# Altium PCB MiniPC.PcbDoc (part 18 of 22) (continued)
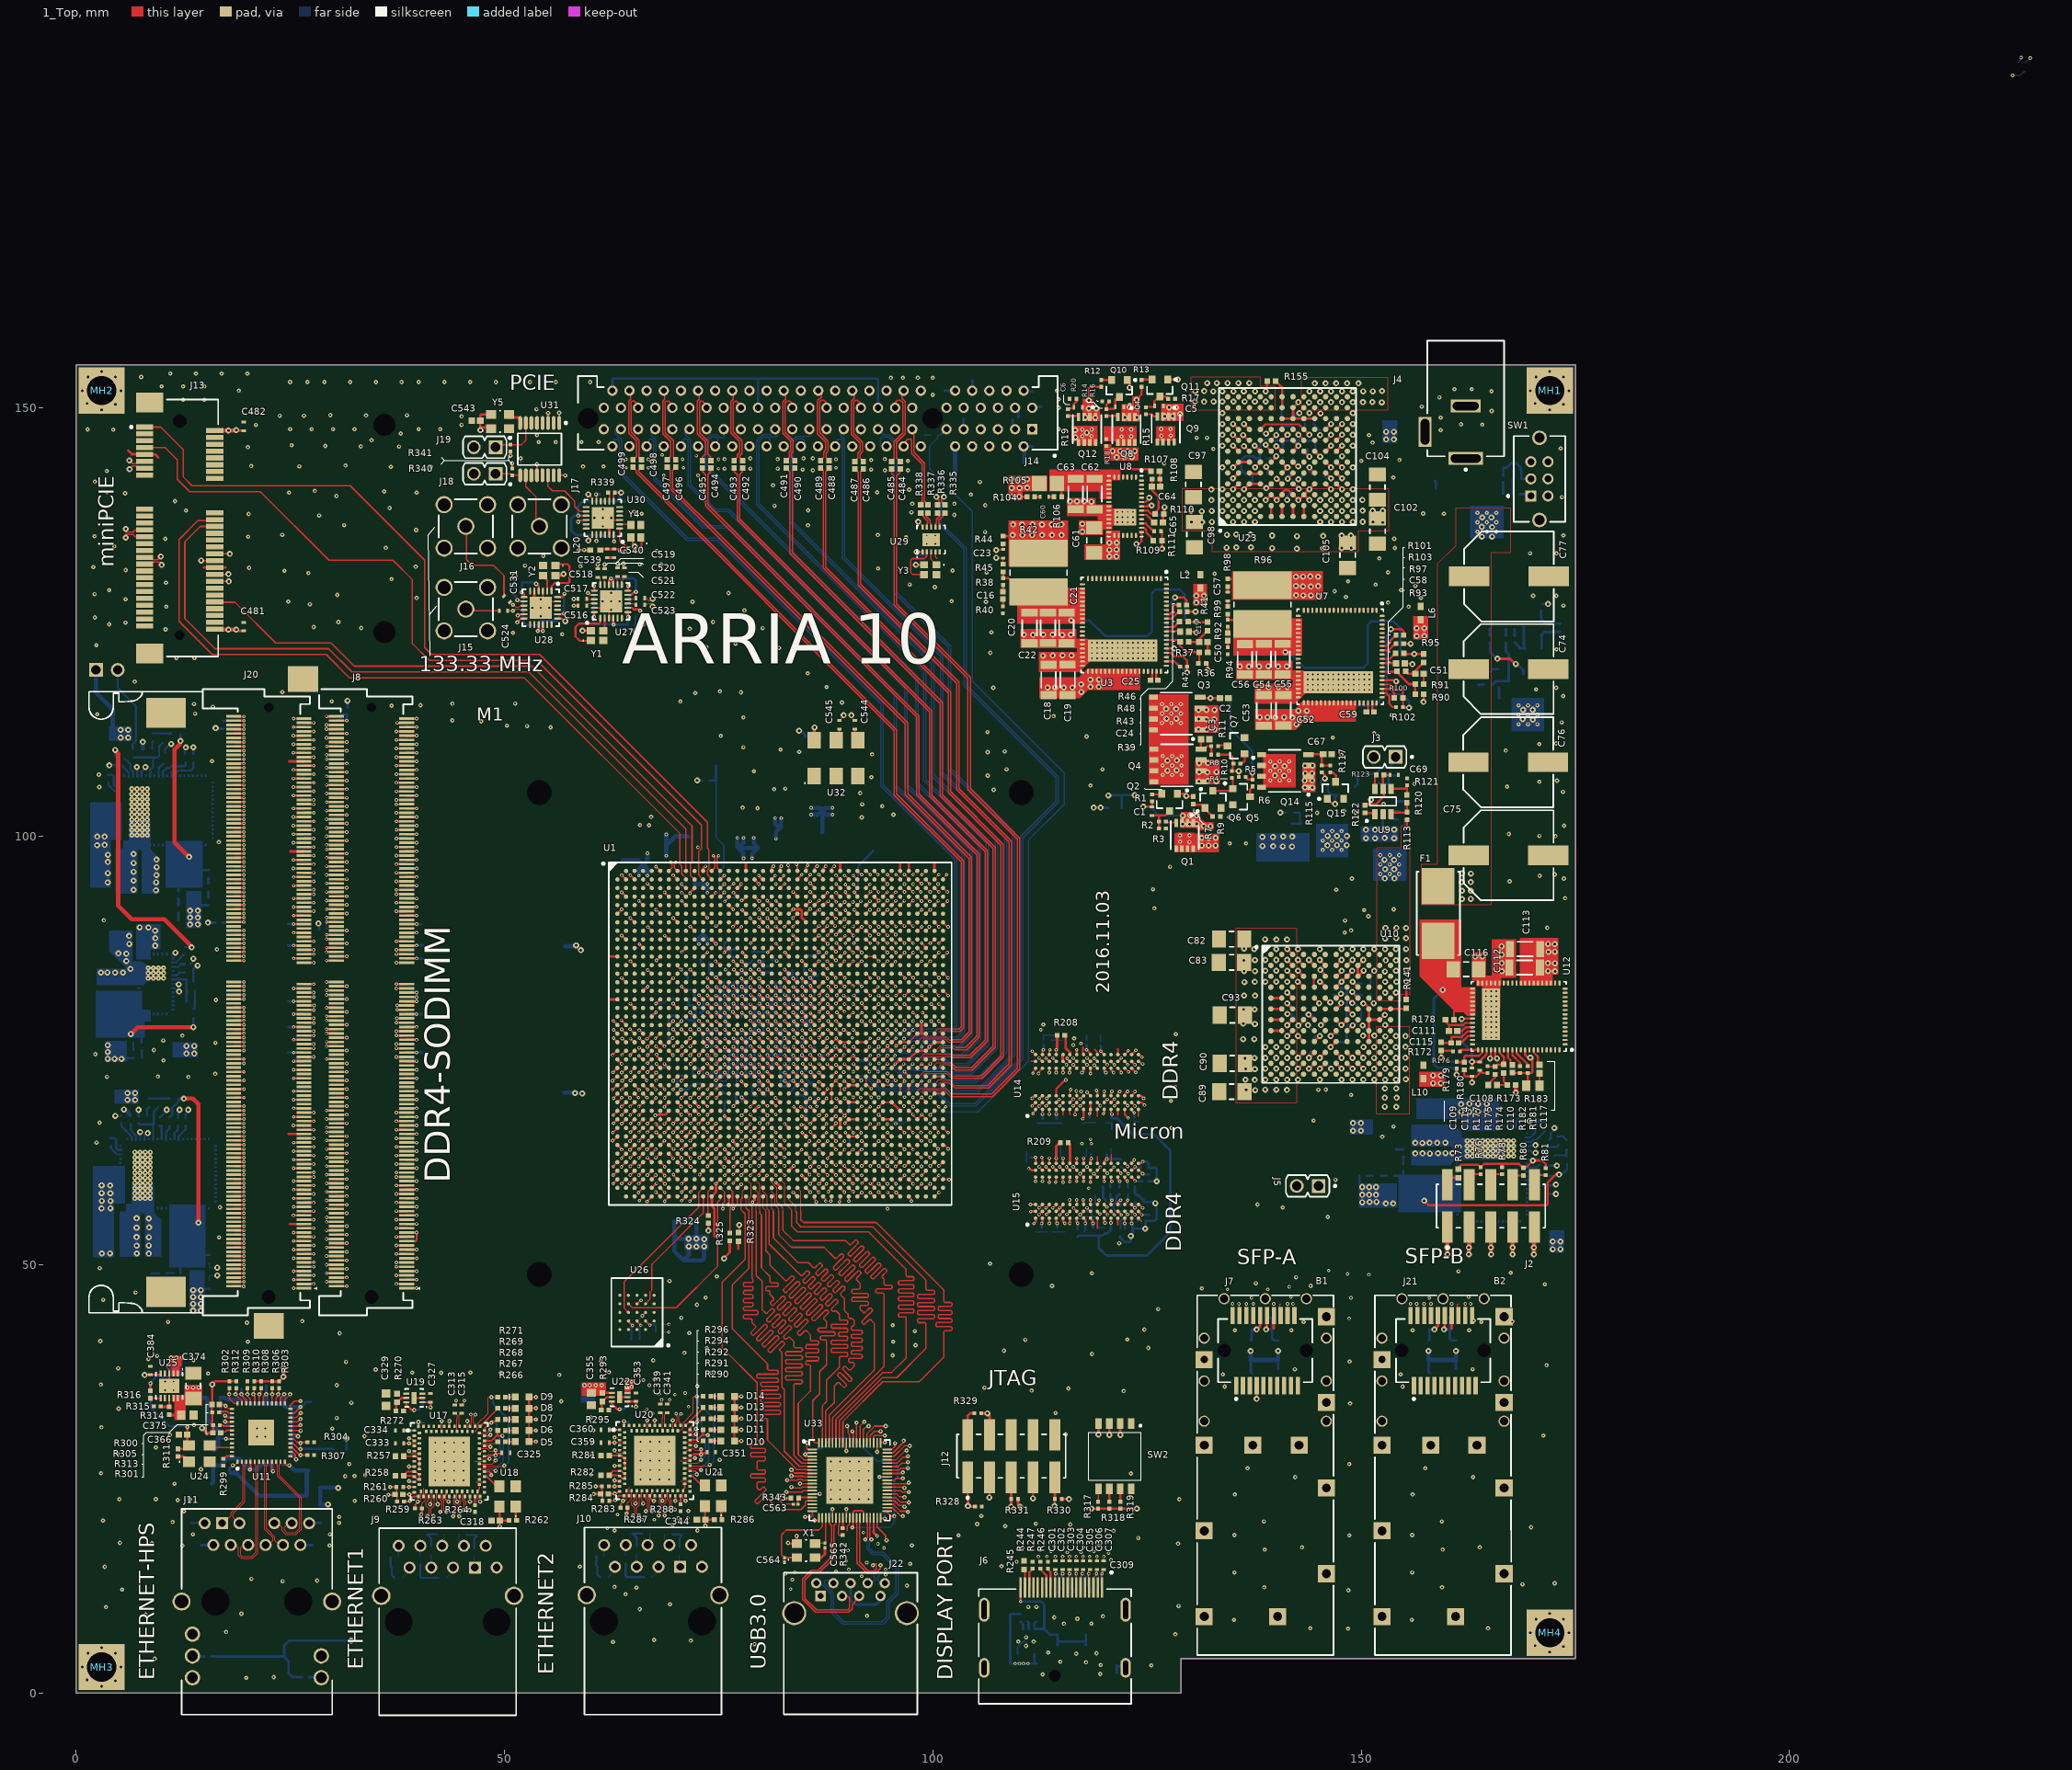
[diagram p0: 1_Top view]
## Nets (pads, with @x,y where several pads share a name; then routed paths per layer and width w, separated by ;. In a path a pad name is that pad's centre, name@x,y a point inside that pad or via, vN(x,y) a via of type N, cw(c..) or ccw(c..) an arc to the next point about the centre after c; other vN are vias at no path point) (continued)
  1_Top w0.25: J20.258@18.4,113.475 v1(19.602,113.475)
  16_Bottom w0.3: R234.2@17.2,113.45 R235.2@18.07,113.45 18.12,113.5 C296.1@18.87,113.5 19.577,113.5 v1(19.602,113.475)
NetC310_1: C310.1 R249.2 R250.2 | length 2.5
  16_Bottom w0.25: R250.2@45.624,18.412 C310.1@46.574,18.412 ; R249.2@46.474,16.862 46.474,18.012 C310.1@46.774,18.312
NetC311_1: C311.1 R251.2 R252.2 | length 2.7
  16_Bottom w0.25: C311.1@40.974,18.512 C311.1@41.064,18.512 R251.2@42.124,18.512 ; C311.1@41.074,18.412 41.474,18.012 R252.2@41.474,17.062
NetC312_1: C312.1 R253.2 R254.2 | length 3.5
  16_Bottom w0.25: C312.1@40.174,13.512 40.274,13.412 R253.2@42.324,13.412 ; C312.1@40.174,13.612 R254.2@40.174,14.962
NetC314_1: C314.1 R255.2 R256.2 | length 2.4
  16_Bottom w0.25: R256.2@36.724,15.812 36.724,14.762 C314.1@36.774,14.712 ; C314.1@36.864,14.612 36.864,13.722 R255.2@37.174,13.412
NetC336_1: C336.1 R273.2 R274.2 | length 2.5
  16_Bottom w0.25: R274.2@69.6,18.5 C336.1@70.55,18.5 ; R273.2@70.45,16.95 70.45,18.1 C336.1@70.75,18.4
NetC337_1: C337.1 R275.2 R276.2 | length 2.7
  16_Bottom w0.25: C337.1@64.95,18.6 C337.1@65.04,18.6 R275.2@66.1,18.6 ; C337.1@65.05,18.5 65.45,18.1 R276.2@65.45,17.15
NetC338_1: C338.1 R277.2 R278.2 | length 3.5
  16_Bottom w0.25: C338.1@64.15,13.6 64.25,13.5 R277.2@66.3,13.5 ; C338.1@64.15,13.7 R278.2@64.15,15.05
NetC340_1: C340.1 R279.2 R280.2 | length 2.4
  16_Bottom w0.25: R280.2@60.7,15.9 60.7,14.85 C340.1@60.75,14.8 ; C340.1@60.84,14.7 60.84,13.81 R279.2@61.15,13.5
NetC362_2: C362.2 J11.2 | length 1.7
  16_Bottom w0.3: C362.2@13.577,19.825 15.097,19.825 J11.2@15.197,19.725
NetC363_2: C363.2 J11.5 | length 1.2
  16_Bottom w0.3: C363.2@14.577,17.225 J11.5@15.797,17.225
NetC364_2: C364.2 J11.8 | length 1.2
  16_Bottom w0.3: J11.8@26.497,17.325 26.597,17.225 C364.2@27.607,17.225
NetC365_2: C365.2 J11.11 | length 1.5
  16_Bottom w0.3: J11.11@27.197,19.925 27.297,19.825 C365.2@28.607,19.825
NetC510_1: C510.1 C511.1 C512.1 C513.1 C514.1 C515.1 L17.1 U27.4 U27.7 U27.11 U27.15 U27.16 U27.20 U27.24 | length 24.1
  1_Top w0.25: v2(59.741,128.391) 59.759,128.391 60,128.15 U27.20@60.5,128.15 ; v2(60.45,125.6) 60.45,126.1 U27.24@60.5,126.15 ; U27.16@62.2,129.35 62.2,129.85 v2@62.45,130.1 ; v2(62.425,130.075) v2@62.45,130.1 ; U27.4@62.7,125.45 62.7,124.75 v2(62.75,124.7) ; U27.15@62.7,129.35 62.7,129.85 v2@62.45,130.1 ; U27.7@64.4,126.15 64.4,125.65 v2(64.45,125.6) ; U27.11@64.4,128.15 64.8,128.15 65.15,128.5 v2(65.35,128.5)
  16_Bottom w0.25: v2@59.75,128.4 59.95,128.2 C513.1@60.45,128.2 ; v2(60.45,125.6) 60.5,125.65 C514.1@60.5,126.15 ; v2@62.35,130.1 62.55,129.9 C512.1@62.55,129.4 ; C515.1@62.7,125.45 62.7,124.75 v2(62.75,124.7) ; v2@62.85,124.7 L17.1@64.4,124.7 ; C511.1@64.3,126.25 64.3,125.75 v2(64.45,125.6) ; C510.1@64.65,128.2 64.95,128.2 v2@65.25,128.5
  16_Bottom w0.3: v2(60.45,125.6) 60.45,124.75 v2@62.7,124.75 ; C513.1@60.45,128.2 60.45,126.2 C514.1@60.5,126.15 ; v2(62.425,130.075) 65.075,130.075 65.1,130.1 65.35,129.85 v2(65.35,128.5) ; C511.1@64.3,126.25 64.3,127.1 64.65,127.45 C510.1@64.65,128.2 ; L17.1@64.4,124.7 64.4,125.55 v2(64.45,125.6)
NetC524_2: C524.2 J15.1 | length 4.6
  1_Top w0.17: J15.1@45,126.8 45.5,126.3 C524.2@49.4,126.3
NetC525_1: C525.1 C526.1 C527.1 C528.1 C529.1 C530.1 L18.1 U28.4 U28.7 U28.11 U28.15 U28.16 U28.20 U28.24 | length 24.3
  1_Top w0.25: v2(51.56,125.752) 51.56,125.69 51.6,125.65 51.85,125.9 U28.11@52.3,125.9 ; v2(52,128.45) 52.1,128.45 52.3,128.25 U28.7@52.3,127.9 ; v2(53.7,129.45) 54,129.15 U28.4@54,128.6 ; v2(53.9,123.95) 54,124.05 U28.15@54,124.7 ; v2@54.5,124.05 U28.16@54.5,124.7 ; U28.20@56.2,125.9 56.95,125.9 v2(56.95,126) ; U28.24@56.2,127.9 56.725,127.9 57,128.175 v2(57,128.3)
  1_Top w0.3: v2@54.5,123.95 v2@54.5,124.05
  16_Bottom w0.25: v2@51.5,125.75 51.6,125.85 C530.1@52.2,125.85 ; C529.1@52.2,127.55 52.2,128.25 v2(52,128.45) 52.05,128.5 L18.1@52.05,129.65 53.5,129.65 v2(53.7,129.45) 54,129.15 C528.1@54,128.75 ; v2@53.8,123.95 54.2,124.35 54.2,124.65 ; v2(53.9,123.95) v2(54.5,123.95) ; C526.1@56.3,125.85 56.8,125.85 v2@56.9,125.95 ; C527.1@56.5,127.85 56.95,127.85
  16_Bottom w0.3: C529.1@52.2,127.55 C530.1@52.2,125.85 52.2,125 52.55,124.65 54.2,124.65 54.2,125.1 56.05,125.1 56.3,125.35 C526.1@56.3,125.85 ; v2(56.95,126) 56.95,127.85 56.95,128.25 v2(57,128.3)
NetC531_2: C531.2 J16.1 | length 11.4
  1_Top w0.17: J16.1@45.5,136.16 45.575,136.085 45.575,132.275 46.25,131.6 48.75,131.6 49.946,130.404 C531.2@49.946,128.029
NetC532_2: C532.2 C533.2 C534.2 C535.2 C536.2 L19.1 R339.1 U30.7 U30.15 U30.24 | length 21.9
  1_Top w0.17: v2(58.6,137.4) U30.15@59.545,137.4 ; U30.24@62.745,135.2 62.745,134.455 v2(62.8,134.4) ; U30.7@62.745,139.1 62.745,139.945 R339.1@62.9,140.1
  1_Top w0.3: R339.1@62.9,140.1 v3(63.625,140.1)
  16_Bottom w0.3: v2@58.6,137.3 58.7,137.4 C535.2@59.6,137.4 ; v2(62.8,134.4) C533.2@62.8,135 ; C536.2@63.6,135 C533.2@62.8,135 ; v3(63.625,140.1) 63.445,139.92 C534.2@63.445,139.075 ; L19.1@64.445,139.075 C534.2@63.445,139.075 ; C533.2@62.8,135 61.6,135 61.45,135.15 58.35,135.15 57.8,135.7 57.8,137.1 58.1,137.4 v2(58.6,137.4) 58.6,138.5 59.175,139.075 C532.2@62.645,139.075 C534.2@63.445,139.075
NetC544_2: C544.2 U32.4 | length 1.4
  1_Top w0.17: C544.2@90.9,112.5 90.9,111.55 U32.4@91.25,111.2
NetC545_2: C545.2 U32.5 | length 1.2
  1_Top w0.17: U32.5@88.61,111.1 U32.5@88.71,111.2 ; U32.5@89.01,111.5 89.1,111.59 C545.2@89.1,112.5
NetC547_2: C547.2 L21.1 U31.12 | length 2.5
  1_Top w0.2: U31.12@53.795,142.126 53.795,143.395 v2(53.8,143.4)
  16_Bottom w0.2: L21.1@53.1,143.4 v2(53.8,143.4) C547.2@54.3,143.4
NetC562_2: C562.2 J22.4 J22.7 | length 6.4
  16_Bottom w0.3: J22.7@90.4,12.795 90.4,11.045 90.4,10.8 90.9,10.3 93.4,10.3 93.9,10.8 J22.4@93.9,11.295
NetC563_2: C563.2 R343.2 U33.15 | length 2.4
  1_Top w0.2: C563.2@84.26,22.125 R343.2@84.26,22.885 ; R343.2@84.3,22.725 84.375,22.8 U33.15@85.925,22.8
NetC564_2: C564.2 U33.21 X1.1 | length 10.5
  1_Top w0.17: X1.1@84.15,15.775 82.69,15.775 C564.2@82.675,15.76 82.335,16.1 82.335,18.435 82.9,19 86.7,19 87.1,19.4 U33.21@87.1,20.425
NetC565_2: C565.2 U33.22 X1.3 | length 4.2
  1_Top w0.17: X1.3@86.6,17.44 86.62,17.46 C565.2@87.4,17.46 87.5,17.56 U33.22@87.5,20.425
  1_Top w0.3: X1.3@86.25,17.425 86.25,17.44 X1.3@86.6,17.44
NetC569_1: C569.1 U33.2 U33.3 U33.30 U33.33 U33.39 U33.48 | length 35.4
  1_Top w0.17: U33.39@94.675,21.2 94.675,21.05 95.1,20.625 v2(95.5,20.625) ; U33.48@94.675,24.8 95.525,24.8 95.75,25.025 v2(96.5,25.025)
  1_Top w0.2: v2(85.1,27.825) 85.1,27.625 85.075,27.6 U33.3@85.925,27.6 ; v2@85.225,28 U33.2@85.925,28 ; v2(90.6,19.3) 90.675,19.3 90.7,19.325 U33.30@90.7,20.425 90.7,21.125 90.825,21.25 91.645,21.25 91.775,21.25 91.9,21.125 U33.33@91.9,20.425
  16_Bottom w0.2: v2(85.1,27.825) 85.1,28.325 85.2,28.425 86.9,28.425 88.2,29.725 90.8,29.725 93.5,27.025 95.3,27.025 95.9,26.425 95.9,25.025 ; v2@85.2,27.825 C569.1@85.94,27.825 ; v2(90.6,19.3) 94.975,19.3 95.5,19.825 v2(95.5,20.625) 95.5,24.825 95.7,25.025 95.9,25.025 ; v2(96.5,25.025) 95.9,25.025
NetD5_1: D5.1 R266.1 | length 1
  1_Top w0.2: R266.1@50.124,29.312 D5.1@51.074,29.312
NetD6_1: D6.1 R267.1 | length 1.3
  1_Top w0.2: R267.1@50.124,30.612 D6.1@51.274,30.612 D6.1@51.374,30.612
NetD7_1: D7.1 R268.1 | length 1
  1_Top w0.2: R268.1@50.124,31.912 D7.1@51.074,31.912
NetD8_1: D8.1 R269.1 | length 1
  1_Top w0.2: R269.1@50.124,33.212 50.974,33.212 D8.1@51.074,33.112
NetD9_1: D9.1 R271.1 | length 1.3
  1_Top w0.2: R271.1@50.124,34.512 D9.1@51.374,34.512
NetD10_1: D10.1 R290.1 | length 1
  1_Top w0.2: R290.1@74.1,29.4 D10.1@75.05,29.4
NetD11_1: D11.1 R291.1 | length 1.3
  1_Top w0.2: R291.1@74.1,30.7 D11.1@75.25,30.7 D11.1@75.35,30.7
NetD12_1: D12.1 R292.1 | length 1
  1_Top w0.2: R292.1@74.1,32 D12.1@75.05,32
NetD13_1: D13.1 R294.1 | length 1
  1_Top w0.2: R294.1@74.1,33.3 74.95,33.3 D13.1@75.05,33.2
NetD14_1: D14.1 R296.1 | length 1.3
  1_Top w0.2: R296.1@74.1,34.6 D14.1@75.35,34.6
NetJ1_2: J1.2 R32.1 | length 10.2
  16_Bottom w0.25: J1.2@4.87,119.4 4.87,117.33 7,115.2 7,111.089 6.6,110.689 R32.1@6.6,110.2
NetJ2_2: J2.2 R73.1 | length 2
  1_Top w0.25: J2.2@160.235,59.13 160.235,59.93 160.435,60.13 R73.1@161.335,60.13
NetJ2_4: J2.4 R76.1 | length 2.4
  1_Top w0.25: J2.4@162.595,59.305 162.595,60.165 162.96,60.53 R76.1@163.935,60.53
NetJ2_6: J2.6 R78.1 | length 2.3
  1_Top w0.25: J2.6@165.135,59.33 165.135,60.13 165.535,60.53 R78.1@166.435,60.53
NetJ2_8: J2.8 R80.1 | length 2.3
  1_Top w0.25: J2.8@167.235,59.23 167.235,59.43 168.185,60.38 R80.1@168.935,60.38
NetJ2_10: J2.10 R81.1 | length 2.1
  1_Top w0.25: J2.10@170.335,59.33 170.435,59.33 170.71,59.605 170.71,60.43 R81.1@171.535,60.43
NetJ3_1: J3.1 R118.2 R127.2 | length 4.6
  16_Bottom w0.25: R127.2@150.545,107.25 151.645,107.25 152.395,108 R118.2@153.245,108 154.145,108.9 J3.1@154.145,109.25
NetJ6_13: J6.13 R246.2 | length 2.2
  1_Top w0.25: R246.2@113.45,14.4 113.45,14.35 113.75,14.05 J6.13@113.75,12.29
NetJ6_14: J6.14 R247.2 | length 2.4
  1_Top w0.25: R247.2@112.55,14.4 113.25,13.7 J6.14@113.25,12.29
NetJ6_18: J6.18 R244.2 | length 2.3
  1_Top w0.25: J6.18@111.25,12.29 111.25,14 R244.2@111.65,14.4
NetJ6_19: J6.19 R245.2 | length 2.1
  1_Top w0.25: J6.19@110.75,12.29 R245.2@110.75,14.4
NetJ11_13: J11.13 R304.1 U11.17 | length 34.7
  1_Top w0.2: U11.17@25.012,29.625 25.424,29.625 25.8,29.25 26.1,29.25 v2(26.2,29.15) 26.3,29.25 R304.1@27,29.25
  7_int6_(sign) w0.15: v2(26.2,29.15) 30.95,29.15 33.2,26.9 33.2,9.9 28.63,5.33 J11.13@28.63,4.3
NetJ11_14: J11.14 R297.2 | length 1.1
  16_Bottom w0.3: R297.2@27.187,1.825 J11.14@28.297,1.825
NetJ11_16: J11.16 R298.2 | length 1.3
  16_Bottom w0.3: J11.16@13.697,4.225 R298.2@14.987,4.225
NetJ11_17: J11.17 R307.1 U11.15 | length 45.1
  1_Top w0.2: U11.15@25.012,28.625 25.24,28.625 26.1,27.765 v2@26.1,27.75 ; v2(26.2,27.75) R307.1@27,27.75
  7_int6_(sign) w0.15: J11.17@13.593,1.76 16.76,1.76 21.7,6.7 21.7,12.6 23.8,14.7 28.6,14.7 32,18.1 32,25.6 29.85,27.75 v2(26.2,27.75)
NetJ12_2: J12.2 R329.1 | length 3.2
  1_Top w0.3: J12.2@104.08,30.1 104.08,32.305 104.06,32.325 104.36,32.625 R329.1@104.86,32.625
NetJ14_B17: J14.B17 J14.B31 J14.B48 | length 39.1
  16_Bottom w0.3: J14.B48@62.6,152 62.6,153.3 62.7,153.4 79.6,153.4 ; J14.B31@79.6,150 79.6,153.4 ; J14.B17@93.6,150 93.6,153.3 93.5,153.4 79.6,153.4
NetJ17_1: J17.1 U31.10 | length 6.6
  1_Top w0.17: U31.10@52.495,142.126 52.495,140.805 53.7,139.6 J17.1@53.7,136
NetJ18_1: J18.1 R340.2 U31.9 | length 3
  1_Top w0.17: J18.1@48.97,142.3 50.7,142.3 R340.2@50.9,142.1 50.926,142.126 U31.9@51.845,142.126
NetJ19_1: J19.1 R341.2 U31.7 | length 5.9
  1_Top w0.17: J19.1@48.97,145.4 49.27,145.7 R341.2@50.7,145.7 52,145.7 52.495,146.195 U31.7@52.495,148.226
NetQ1_4: Q1.4 R2.2 | length 1.1
  1_Top w0.25: R2.2@127.31,101.6 128.345,101.6 Q1.4@128.41,101.535
NetQ2_2: Q2.2 R1.1 | length 1.2
  1_Top w0.25: R1.1@125.59,104.87 126.645,104.87 Q2.2@126.715,104.94
NetQ5_1: Q5.1 Q6.3 R4.1 | length 3.7
  1_Top w0.25: Q6.3@132.7,105.3 134.81,105.3 Q5.1@135.11,105.6 ; Q5.1@135.01,105.55 R4.1@135.01,106.7
NetQ5_3: Q5.3 R6.1 | length 1.4
  1_Top w0.25: Q5.3@137.01,104.6 137.01,105.4 R6.1@137.41,105.8
NetQ6_1: Q6.1 R7.1 R9.2 | length 2.7
  1_Top w0.25: R7.1@130.5,103.65 131.46,103.65 Q6.1@131.71,103.4
  1_Top w0.3: Q6.1@131.75,103.3 131.75,103.22 R9.2@132.66,102.31
NetQ7_1: Q7.1 R10.1 | length 1.4
  1_Top w0.25: R10.1@136.01,108.4 136.4,108.79 Q7.1@136.4,109.6
NetQ7_3: Q7.3 R11.1 | length 0.9
  1_Top w0.25: R11.1@133.51,110.6 134.35,110.6 Q7.3@134.4,110.55
NetQ8_4: Q8.4 R14.2 | length 1.3
  1_Top w0.25: R14.2@120.27,149.05 Q8.4@121.57,149.05
NetQ9_4: Q9.4 R15.2 | length 1.3
  1_Top w0.25: R15.2@124.97,149.25 125.55,149.25 125.815,148.985 Q9.4@126.2,148.985
NetQ10_2: Q10.2 R12.1 | length 1.2
  1_Top w0.25: R12.1@119.67,153.25 Q10.2@120.855,153.25
NetQ11_2: Q11.2 R13.1 | length 1.2
  1_Top w0.25: R13.1@124.37,153.35 124.42,153.3 Q11.2@125.585,153.3
NetQ12_4: Q12.4 R19.2 | length 1.3
  1_Top w0.25: R19.2@115.77,148.95 115.87,149.05 116.895,149.05 Q12.4@117.01,148.935
NetQ13_4: Q13.4 R114.2 | length 1.9
  16_Bottom w0.25: R114.2@155.05,101.94 155.095,101.895 155.095,100.1 Q13.4@155.145,100.05
NetQ15_1: Q15.1 Q19.3 R124.2 | length 4.2
  1_Top w0.25: Q15.1@146.045,104.35 146.545,103.85 v3@146.745,103.85
  16_Bottom w0.25: R124.2@146.045,106.05 146.13,105.965 146.13,105.22 146.55,104.8 Q19.3@147.195,104.8 ; v3(146.945,103.75) 146.945,104.55 Q19.3@147.195,104.8 ; Q19.3@147.245,104.8 Q19.3@147.195,104.8
NetQ15_3: Q15.3 R117.1 | length 1.6
  1_Top w0.25: R117.1@146.395,107.45 146.69,107.45 147.045,107.095 Q15.3@147.045,106.25
NetQ16_3: Q16.3 R116.1 | length 2
  16_Bottom w0.3: Q16.3@154.145,104.05 154.93,104.05 155.18,103.8 R116.1@155.18,102.91
NetQ19_1: Q19.1 R127.1 | length 1.5
  16_Bottom w0.25: Q19.1@149.245,105.75 149.595,106.1 R127.1@149.595,107.15
NetQ20_4: Q20.4 R130.2 | length 1.3
  16_Bottom w0.3: Q20.4@166.57,140 166.57,141.27 R130.2@166.6,141.3
NetQ21_4: Q21.4 R136.2 | length 1.2
  16_Bottom w0.3: Q21.4@166.1,116.07 R136.2@166.1,117.3
NetQ22_1: Q22.1 R134.1 R138.2 | length 6.4
  1_Top w0.3: v3(165.9,120.7) 167.35,120.7 168.05,120 v3(168.05,120.1)
  16_Bottom w0.3: R134.1@165,122.6 165.05,122.55 Q22.1@165.05,121.5 165.85,120.7 v3(165.9,120.7) ; v3(168.05,120.1) 168.175,120.1 168.925,119.35 R138.2@168.925,118.95
NetQ22_3: Q22.3 R135.1 | length 1
  16_Bottom w0.3: R135.1@165.1,119.2 165.4,119.5 Q22.3@166,119.5
NetQ23_1: Q23.1 Q24.3 R133.1 | length 4.1
  16_Bottom w0.3: R133.1@167.9,122.6 168.6,121.9 Q23.1@169.15,121.9 169,122.05 Q24.3@169,124.4
NetQ23_3: Q23.3 R138.1 | length 1.3
  16_Bottom w0.3: R138.1@169.725,118.95 169.725,119.525 Q23.3@170.1,119.9 Q23.3@170.331,119.9
NetR21_2: R21.2 R22.2 R24.2 R32.2 U2.55 | length 7.1
  16_Bottom w0.25: R32.2@6.7,109.16 6.74,109.2 R21.2@7.8,109.2 R22.2@8.9,109.2 9.54,109.2 9.7,109.36 9.7,110.46 R24.2@10.1,110.86 ; U2.55@8.65,106.91 8.65,107.71 9,108.06 R22.2@9,109.16
NetR29_1: R29.1 U2.58 | length 2.5
  16_Bottom w0.25: U2.58@10.15,106.91 10.15,107.51 10.6,107.96 10.9,107.96 R29.1@11.6,108.66
NetR31_1: R31.1 U2.51 | length 2.5
  16_Bottom w0.25: R31.1@5.7,109.06 6.375,108.385 6.375,107.785 6.65,107.51 U2.51@6.65,106.91
NetR33_2: R33.2 U2.61 | length 3.4
  16_Bottom w0.25: U2.61@11.65,106.91 11.65,107.41 11.9,107.66 13.4,107.66 13.7,107.96 R33.2@13.7,108.56
NetR34_1: R34.1 U2.50 | length 1.5
  16_Bottom w0.25: R34.1@5.5,108.16 5.5,108.06 6.025,107.535 6.15,107.41 U2.50@6.15,106.91
NetR35_1: R35.1 U2.60 | length 2.9
  16_Bottom w0.25: U2.60@11.15,106.91 11.15,107.51 11.8,108.16 12.7,108.16 12.8,108.26 R35.1@12.8,108.56
NetR36_1: R36.1 R37.2 R39.2 U3.63 | length 5.9
  1_Top w0.25: R36.1@131.09,120.27 R37.2@131.09,121.47
  1_Top w0.254: U3.63@127.265,122.895 128.565,122.895 R39.2@128.865,122.595 ; R39.2@128.865,122.67 R39.2@128.865,122.595 ; R37.2@131.065,121.495 129.565,121.495 128.865,122.195 R39.2@128.865,122.595
NetR43_1: R43.1 U3.66 | length 1.8
  1_Top w0.25: U3.66@127.24,124.41 128.145,124.41 R43.1@128.795,125.06
NetR46_2: R46.2 U3.69 | length 2.1
  1_Top w0.254: U3.69@127.265,125.895 127.665,125.895 128.065,126.295 128.065,126.795 128.265,126.995 R46.2@128.665,126.995
NetR47_1: R47.1 U3.58 | length 1.7
  1_Top w0.254: U3.58@127.265,120.395 128.165,120.395 R47.1@128.765,119.795
NetR48_1: R48.1 U3.68 | length 1.7
  1_Top w0.254: U3.68@127.265,125.395 127.865,125.395 R48.1@128.665,126.195
NetR49_2: R49.2 R50.2 R52.2 U4.55 | length 6.1
  16_Bottom w0.25: R49.2@7.295,66.45 7.395,66.35 R50.2@8.295,66.35 8.695,66.35 ; U4.55@8.995,64.55 8.995,66.35 ; R52.2@9.595,68.35 9.095,67.85 9.095,66.35 8.995,66.35 ; 8.695,66.35 8.995,66.35 ; 8.695,66.35 8.995,66.35
NetR57_1: R57.1 U4.58 | length 2.1
  16_Bottom w0.25: U4.58@10.495,64.65 10.495,64.914 ; U4.58@10.5,64.5 10.5,65.455 10.895,65.85 R57.1@10.895,66.15
NetR60_2: R60.2 U4.61 | length 2
  16_Bottom w0.25: U4.61@11.995,64.55 11.995,64.97 12.795,65.77 R60.2@12.795,66.2
NetR61_1: R61.1 U4.50 | length 2.5
  16_Bottom w0.25: R61.1@5.295,66.55 5.295,66.15 6.5,64.945 U4.50@6.5,64.5
NetR62_1: R62.1 U4.60 | length 1.6
  16_Bottom w0.25: U4.60@11.495,64.75 11.495,65.35 11.895,65.75 R62.1@11.895,66.2
NetR63_2: R63.2 R64.2 R66.2 R73.2 R76.2 R78.2 R80.2 R81.2 U5.55 | length 17.8
  1_Top w0.25: R73.2@161.335,61.13 161.335,61.33 161.635,61.63 163.635,61.63 R76.2@163.835,61.43 ; R76.2@163.935,61.33 163.935,61.42 164.025,61.42 164.335,61.73 166.435,61.73 ; R78.2@166.435,61.23 166.435,61.63 ; R78.2@166.435,61.33 166.435,61.63 ; R81.2@171.535,61.23 171.535,61.723 171.128,62.13 v3(170.035,62.13) 169.185,61.28 R80.2@168.935,61.28 168.935,61.33 168.835,61.33 168.435,61.73 166.435,61.73 ; 166.435,61.63 166.435,61.73
  16_Bottom w0.25: U5.55@169.185,62.306 v3@169.935,62.306 ; v3@170.033,62.13 v3@170.035,62.132 ; v3(170.035,62.13) v3@170.035,62.132 ; R66.2@171.435,62.73 171.011,62.306 v3@169.935,62.306 ; R66.2@171.535,62.73 171.535,63.53 R63.2@171.835,63.83 ; R63.2@171.935,63.73 172.835,63.73 R64.2@173.035,63.93 ; v3@169.935,62.306 169.934,62.305 170.035,62.204 v3@170.035,62.132
NetR71_1: R71.1 U5.58 | length 1.9
  16_Bottom w0.25: U5.58@169.185,60.806 170.559,60.806 R71.1@170.935,60.43
NetR75_2: R75.2 U5.61 | length 2.1
  16_Bottom w0.25: U5.61@169.185,59.306 170.059,59.306 170.235,59.13 170.235,58.83 R75.2@170.735,58.33
NetR77_1: R77.1 U5.50 | length 1.9
  16_Bottom w0.25: U5.50@169.185,64.806 169.711,64.806 170.335,65.43 R77.1@170.335,65.83 R77.1@170.335,65.93
NetR79_1: R79.1 U5.60 | length 1.9
  16_Bottom w0.25: U5.60@169.185,59.806 170.259,59.806 R79.1@170.835,59.23
NetR82_2: R82.2 R83.1 | length 3
  16_Bottom w0.25: v3(4.5,74) 4.5,74.775 R83.1@5,75.275 ; v3(5.3,74) 5.4,74.1 R82.2@6.75,74.1
  other v3: 3.7,74 3.7,74.8 3.7,75.6
NetR89_2: R89.2 U6.28 | length 1.9
  16_Bottom w0.25: U6.28@11.225,84.75 11.916,84.75 12.266,85.1 R89.2@12.6,85.1 12.7,85.1 12.7,85 R89.2@12.5,85
NetR90_1: R90.1 R91.2 R93.2 U7.63 | length 5.8
  1_Top w0.25: U7.63@152.445,119.2 153.57,119.2 ; R90.1@156.295,116.56 R91.2@156.295,117.76
  1_Top w0.3: 153.57,119.2 154.11,119.2 R93.2@154.17,119.26 154.17,119.16 155.57,117.76 R91.2@156.295,117.76
NetR97_1: R97.1 U7.66 | length 1.8
  1_Top w0.25: U7.66@152.445,120.7 153.35,120.7 R97.1@154,121.35
NetR100_2: R100.2 U7.59 | length 2.1
  1_Top w0.25: U7.59@152.445,117.2 153.33,117.2 153.87,116.66 R100.2@153.87,116.16
NetR101_2: R101.2 U7.69 | length 2.3
  1_Top w0.25: U7.69@152.445,122.2 153.01,122.2 153.37,122.56 153.37,122.785 R101.2@154.045,123.46
NetR102_1: R102.1 U7.58 | length 2.8
  1_Top w0.25: U7.58@152.445,116.7 152.93,116.7 153.27,116.36 153.27,115.46 153.67,115.06 R102.1@154.07,115.06
NetR103_1: R103.1 U7.68 | length 1.9
  1_Top w0.25: U7.68@152.445,121.7 153.21,121.7 153.97,122.46 R103.1@154.045,122.46
NetR111_2: R111.2 U8.28 | length 1.9
  1_Top w0.25: U8.28@124.35,136.5 124.831,136.5 125.831,135.5 R111.2@125.85,135.5
NetR113_1: R113.1 R120.2 U9.3 | length 3.1
  1_Top w0.25: U9.3@153.495,102.575 153.65,102.73 155.225,102.73 R113.1@155.345,102.85 ; R113.1@155.345,102.75 R113.1@155.345,102.8 R113.1@155.345,102.85 ; R120.2@155.345,103.9 R113.1@155.345,102.85
NetR120_1: R120.1 R121.2 U9.4 | length 3.4
  1_Top w0.25: U9.4@153.495,105.525 155.245,105.525 R121.2@155.245,106.05 ; R120.1@155.345,104.8 R121.2@155.345,105.95
NetR122_2: R122.2 U9.1 | length 1.2
  1_Top w0.25: R122.2@150.445,102.7 151.595,102.7 U9.1@151.645,102.75
NetR123_2: R123.2 U9.6 | length 1.8
  1_Top w0.25: U9.6@151.595,105.525 151.595,107 R123.2@151.845,107.25
NetR128_1: R128.1 SW1.1 | length 1.4
  16_Bottom w0.3: R128.1@168.5,139.9 169.6,139.9 SW1.1@169.8,139.7
NetR141_1: R141.1 U10.F11 U10.F12 | length 2.8
  1_Top w0.25: U10.F11@152.155,79.83 U10.F12@153.425,79.83 154.925,79.83
NetR149_1: R149.1 U10.J5 | length 2.2
  1_Top w0.3: U10.J5@144.535,76.02 v3(145.17,76.655)
  16_Bottom w0.25: 144.77,76.695 145.13,76.695 v3(145.17,76.655)
  16_Bottom w0.254: R149.1@144.36,75.985 144.36,76.285 144.77,76.695
NetR149_2: R149.2 U10.K5 | length 1.8
  1_Top w0.3: v3(143.9,74.115) U10.K5@144.535,74.75
  16_Bottom w0.254: v3(143.9,74.115) 143.9,74.6 R149.2@144.185,74.885
NetR150_2: R150.2 U10.G4 | length 2.2
  1_Top w0.25: v3(142.66,77.875) 143.265,78.481 U10.G4@143.265,78.56
  16_Bottom w0.25: v3@142.56,77.776 v3(142.66,77.875) v3@142.845,77.875 ; v3@142.845,77.875 v3@142.965,77.995
  16_Bottom w0.254: v3@142.965,77.995 143.165,78.195 R150.2@143.165,78.695
NetR151_1: R151.1 U10.K6 | length 2
  1_Top w0.3: v3(145.17,74.115) U10.K6@145.805,74.75
  16_Bottom w0.25: v3(145.17,74.115) 145.59,74.535 R151.1@146.06,74.535
NetR153_1: R153.1 U10.G5 | length 2.3
  1_Top w0.25: v3(143.86,79.175) 144.475,78.56 U10.G5@144.535,78.56
  16_Bottom w0.254: v3(143.86,79.175) 144.185,79.175 144.565,78.795 R153.1@144.565,78.295
NetR154_1: R154.1 U10.G6 | length 2.1
  1_Top w0.25: v3(145.299,77.936) 145.805,78.443 U10.G6@145.805,78.56
  16_Bottom w0.25: v3@145.299,77.954 v3(145.299,77.936) 145.499,77.936 145.54,77.895 R154.1@146.24,78.595
NetR155_1: R155.1 U23.F11 U23.F12 | length 3.4
  1_Top w0.25: R155.1@140.02,153.12 140.765,152.375 U23.F12@140.765,151.285 U23.F11@140.765,150.015
NetR158_1: R158.1 R163.2 U23.E4 | length 2.7
  1_Top w0.25: v3(138.92,140.62) 138.99,140.62 U23.E4@139.495,141.125
  16_Bottom w0.25: R158.1@138.1,141.175 138.364,141.175 v3(138.92,140.62) 139.02,140.72 R163.2@139.72,140.72
NetR162_1: R162.1 U23.F5 U23.F6 | length 3.2
  1_Top w0.25: U23.F5@140.765,142.395 v3(141.4,143.03)
  1_Top w0.3: U23.F6@140.765,143.665 v3(141.4,143.03)
  16_Bottom w0.25: R162.1@140.85,144.125 140.85,143.58 141.371,143.059 v3@141.268,142.957
NetR163_1: R163.1 U23.F4 | length 2.2
  1_Top w0.25: v3(140.12,141.72) 140.12,141.77 U23.F4@140.765,141.125
  16_Bottom w0.25: v3(140.12,141.72) 140.6,141.239 140.6,140.84 R163.1@140.72,140.72
NetR166_1: R166.1 U23.J5 | length 2.2
  1_Top w0.3: v3(143.94,143.03) U23.J5@144.575,142.395
  16_Bottom w0.25: 143.9,142.63 143.9,142.99 v3(143.94,143.03)
  16_Bottom w0.254: 143.9,142.63 144.31,142.22 R166.1@144.61,142.22
NetR166_2: R166.2 U23.K5 | length 1.8
  1_Top w0.3: U23.K5@145.845,142.395 v3(146.48,141.76)
  16_Bottom w0.254: R166.2@145.71,142.045 145.995,141.76 v3(146.48,141.76)
NetR167_2: R167.2 U23.G4 | length 2.2
  1_Top w0.25: U23.G4@142.035,141.125 142.114,141.125 v3(142.72,140.52)
  16_Bottom w0.25: v3@142.6,140.825 v3@142.72,140.705 ; v3@142.72,140.705 v3(142.72,140.52) v3@142.819,140.42
  16_Bottom w0.254: R167.2@141.9,141.025 142.4,141.025 v3@142.6,140.825
NetR168_1: R168.1 U23.K6 | length 2
  1_Top w0.3: U23.K6@145.845,143.665 v3(146.48,143.03)
  16_Bottom w0.25: R168.1@146.06,143.92 146.06,143.45 v3(146.48,143.03)
NetR170_1: R170.1 U23.G5 | length 2.3
  1_Top w0.25: v3(141.42,141.72) 142.035,142.335 U23.G5@142.035,142.395
  16_Bottom w0.254: v3(141.42,141.72) 141.42,142.045 141.8,142.425 R170.1@142.3,142.425
NetR171_1: R171.1 U23.G6 | length 2.1
  1_Top w0.25: U23.G6@142.035,143.665 142.541,143.159 v3(142.641,143.159)
  16_Bottom w0.25: R171.1@142,144.1 142.7,143.4 142.659,143.359 142.659,143.159 v3(142.641,143.159)
NetR174_1: R174.1 R175.1 R177.2 U12.54 | length 4.1
  1_Top w0.25: R177.2@164.634,73.15 164.684,73.1 164.734,73.1 R175.1@165.634,73.1 ; R175.1@165.634,73.05 165.934,73.35 R174.1@166.534,73.35 ; U12.54@166.134,75.05 166.134,74.734 166.634,74.234 166.634,73.45 R174.1@166.534,73.35 ; R174.1@166.634,73.35 R174.1@166.534,73.35
NetR176_1: R176.1 U12.49 | length 2.1
  1_Top w0.25: R176.1@161.534,74.95 161.634,75.05 U12.49@163.634,75.05
NetR179_2: R179.2 R180.2 U12.50 | length 4.2
  1_Top w0.25: R179.2@161.134,73.65 161.184,73.6 R180.2@162.034,73.6 162.034,74.25 162.134,74.35 163.748,74.35 164.134,74.736 U12.50@164.134,75.05
NetR181_2: R181.2 U12.58 | length 2.2
  1_Top w0.25: U12.58@168.134,75.05 168.134,74.65 R181.2@169.434,73.35
NetR182_2: R182.2 U12.57 | length 2.4
  1_Top w0.25: U12.57@167.634,75.05 167.634,74.45 168.534,73.55 R182.2@168.534,73.15 R182.2@168.534,73.05
NetR208_1: R208.1 U14.F9 | length 2.6
  1_Top w0.3: R208.1@115.403,76.759 115.5,76.759 115.5,75.254 116,74.754 U14.F9@116,74.5
NetR209_1: R209.1 U15.F9 | length 2.5
  1_Top w0.3: R209.1@115.791,64.211 116,64.003 U15.F9@116,61.8
NetR237_2: R237.2 U1.AH7 | length 1.6
  1_Top w0.25: v1(68.675,68.4) 68.675,68.42 U1.AH7@69.194,68.939
  16_Bottom w0.3: v1(68.675,68.4) 69.05,68.025 R237.2@69.05,67.675
NetR242_1: R242.1 U16.2 | length 1
  16_Bottom w0.3: R242.1@110.25,8.3 110.55,8 U16.2@110.55,7.45
NetR243_1: R243.1 U16.3 | length 0.9
  16_Bottom w0.3: R243.1@111.05,8.3 111.2,8.15 U16.3@111.2,7.45
NetR257_2: R257.2 U17.A6 U17.B6 U17.B7 U17.B8 | length 3.3
  1_Top w0.2: R257.2@38.174,27.512 R257.2@38.274,27.612 U17.A6@39.474,27.612 39.674,27.612 39.924,27.362 40.074,27.362 U17.B6@40.074,27.312 U17.B7@40.074,26.712 U17.B8@40.074,26.112
NetR258_2: R258.2 U17.A9 U17.A10 U17.B9 U17.B10 | length 4.5
  1_Top w0.2: R258.2@38.274,25.312 39.374,25.312 U17.A10@39.474,25.212 39.724,24.962 39.757,24.962 39.807,24.912 U17.B10@40.074,24.912 ; R258.2@38.374,25.512 38.674,25.812 U17.A9@39.474,25.812 39.674,25.812 39.974,25.512 U17.B9@40.074,25.512 U17.B10@40.074,24.962
NetR262_2: R262.2 U18.1 | length 1.7
  1_Top w0.25: R262.2@51.274,20.012 51.324,20.062 U18.1@51.324,21.712
NetR264_1: R264.1 U17.A25 | length 1
  1_Top w0.2: R264.1@46.574,21.912 U17.A25@46.574,22.912
NetR265_1: R265.1 U17.B14 | length 2.4
  1_Top w0.1: v2@41.324,22.162 v2(41.324,22.012) 41.474,22.162 U17.B14@41.474,23.512
  16_Bottom w0.15: v2(41.324,22.012) 41.424,22.112 R265.1@41.424,22.562 ; v2@41.424,21.862 v2@41.474,21.912
NetR270_1: R270.1 R272.2 U19.5 | length 2.3
  1_Top w0.25: R272.2@37.374,32.812 37.374,33.812 R270.1@37.474,33.912 ; R270.1@37.574,34.012 37.974,34.412 U19.5@38.549,34.412
NetR281_2: R281.2 U20.A6 U20.B6 U20.B7 U20.B8 | length 3.3
  1_Top w0.2: R281.2@62.15,27.6 R281.2@62.25,27.7 U20.A6@63.45,27.7 63.65,27.7 63.9,27.45 64.05,27.45 U20.B6@64.05,27.4 U20.B7@64.05,26.8 U20.B8@64.05,26.2
NetR282_2: R282.2 U20.A9 U20.A10 U20.B9 U20.B10 | length 4.5
  1_Top w0.2: R282.2@62.25,25.4 63.35,25.4 U20.A10@63.45,25.3 63.7,25.05 63.733,25.05 63.783,25 U20.B10@64.05,25 ; R282.2@62.35,25.6 62.65,25.9 U20.A9@63.45,25.9 63.65,25.9 63.95,25.6 U20.B9@64.05,25.6 U20.B10@64.05,25.05
NetR286_2: R286.2 U21.1 | length 1.7
  1_Top w0.25: R286.2@75.25,20.1 75.3,20.15 U21.1@75.3,21.8
NetR288_1: R288.1 U20.A25 | length 1
  1_Top w0.2: R288.1@70.55,22 U20.A25@70.55,23
NetR289_1: R289.1 U20.B14 | length 2.4
  1_Top w0.1: v2@65.3,22.25 v2(65.3,22.1) 65.45,22.25 U20.B14@65.45,23.6
  16_Bottom w0.15: v2(65.3,22.1) 65.4,22.2 R289.1@65.4,22.65 ; v2@65.4,21.95 v2@65.45,22
NetR293_1: R293.1 R295.2 U22.5 | length 2.3
  1_Top w0.25: R295.2@61.35,32.9 61.35,33.9 R293.1@61.45,34 ; R293.1@61.55,34.1 61.95,34.5 U22.5@62.525,34.5
NetR299_1: R299.1 U11.48 | length 1
  1_Top w0.2: R299.1@17.3,27.35 17.576,27.625 U11.48@18.212,27.625
NetR301_1: R301.1 U11.42 | length 1.3
  1_Top w0.2: R301.1@17,30.45 17.4,30.45 17.576,30.625 U11.42@18.212,30.625
NetR305_1: R305.1 U11.38 | length 1.7
  1_Top w0.2: R305.1@16.6,32.75 R305.1@16.7,32.75 16.8,32.85 17.607,32.85 17.807,32.65 18.187,32.65 U11.38@18.212,32.625
NetR311_2: R311.2 U24.1 | length 1.4
  1_Top w0.3: R311.2@11.887,27.575 12.547,27.575 U24.1@13.097,27.025
NetR313_2: R313.2 U11.41 | length 1.4
  1_Top w0.2: R313.2@16.9,31.25 17.109,31.25 17.233,31.125 U11.41@18.212,31.125
NetR314_1: R314.1 R315.2 U25.8 | length 2.1
  1_Top w0.2: U25.8@10.887,34.4 10.887,33.435 R314.1@10.897,33.425
  1_Top w0.3: R315.2@9.797,33.325 9.847,33.375 R314.1@10.887,33.375
NetR316_2: R316.2 U25.6 | length 1.2
  1_Top w0.2: R316.2@8.687,34.375 9.847,34.375 U25.6@9.897,34.425
NetR317_2: R317.2 SW2.5 | length 1.5
  1_Top w0.17: R317.2@119.3,22.3 119.3,23.77 SW2.5@119.33,23.8
NetR318_2: R318.2 SW2.6 | length 1.5
  1_Top w0.3: R318.2@120.6,22.3 SW2.6@120.6,23.8
NetR319_2: R319.2 SW2.7 | length 1.5
  1_Top w0.3: SW2.7@121.87,23.8 121.9,23.77 R319.2@121.9,22.3
NetR320_1: R320.1 R322.2 U26.B2 | length 2.3
  1_Top w0.2: U26.B2@66.475,43.4 v1(66.975,42.9)
  16_Bottom w0.2: v1(66.975,42.9) 67.075,43 R320.1@67.65,43 R322.2@67.65,42.1
NetR320_2: R320.2 U1.AN14 | length 26.8
  1_Top w0.17: U1.AN14@76.194,63.939 76.261,63.939 v1(76.7,63.5)
  7_int6_(sign) w0.15: v1(69.2,43) 69.353,43.153 69.353,44.2 74.953,49.8 76.3,49.8 76.4,49.9 76.4,52.6 75.069,53.931 75.069,56.814 76.194,57.939 76.194,62.939 76.7,63.445 v1(76.7,63.5)
  16_Bottom w0.17: R320.2@68.55,43 v1(69.2,43)